# Altium PCB Main_Board2.PcbDoc (part 2 of 2)
Units mm, origin at the board's own origin, x right, y up, seen from the top; angles counter-clockwise.
Board outline 136.91 x 66.34 mm, 2 copper layers (Top Layer, Bottom Layer); 76 components, 99 nets, 355 pads, 359 vias.
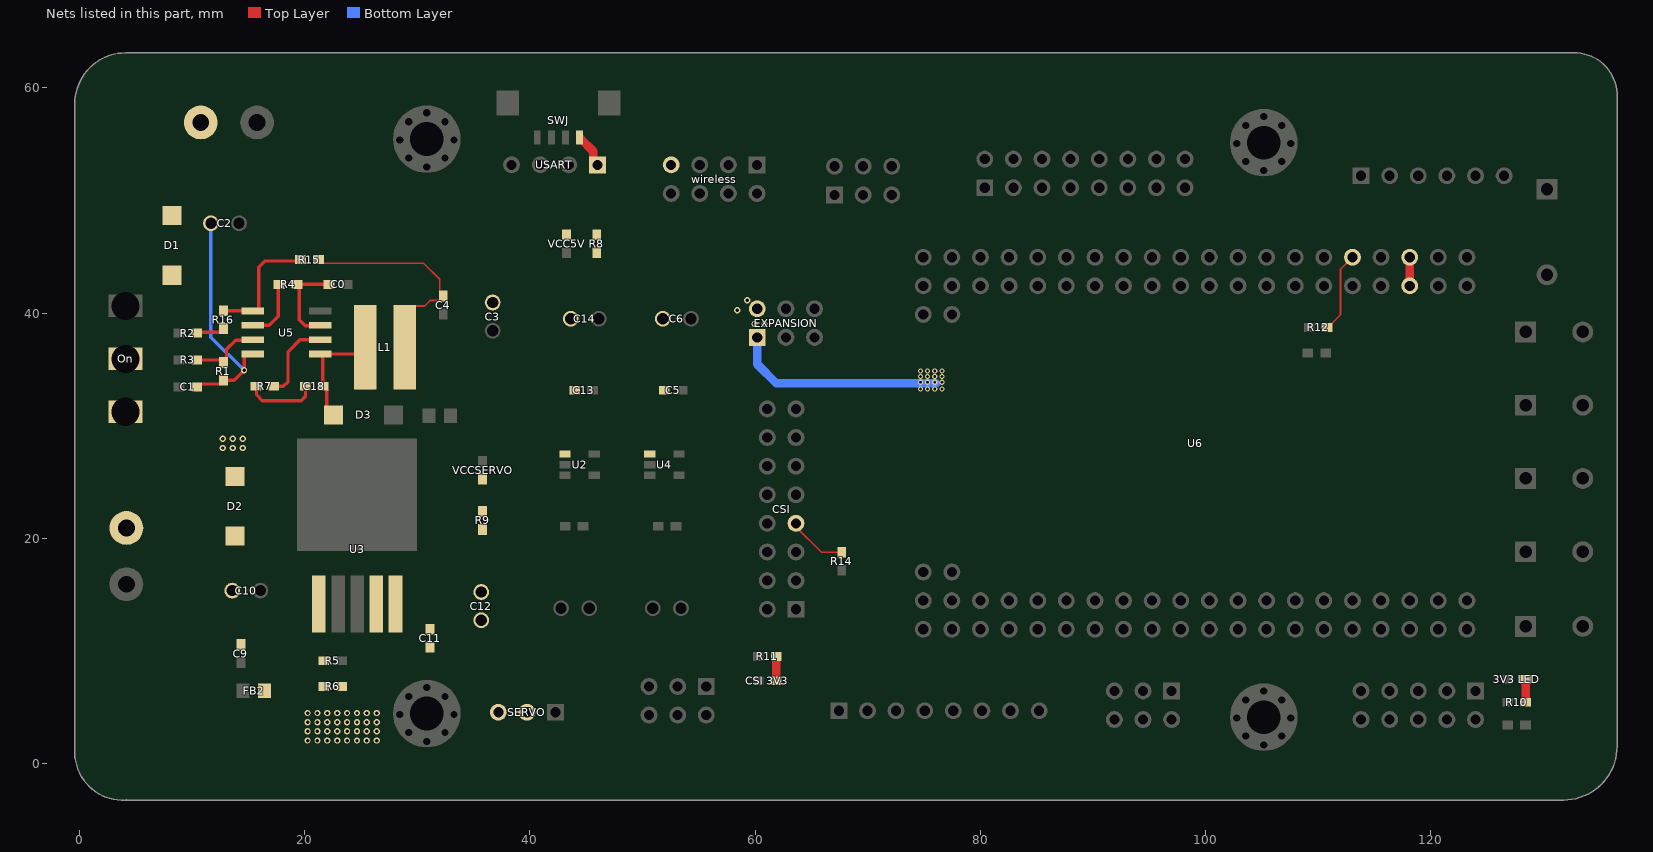
[diagram p2: the nets of this part, all layers, seen from the top]

## Via types
v1: diameter 0.559, hole 0.305, Top Layer to Bottom Layer, tented both sides, 343 vias
v2: diameter 0.457, hole 0.254, Top Layer to Bottom Layer, tented both sides, 16 vias

## Nets (pads, with @x,y where several pads share a name; then routed paths per layer and width w, separated by ;. In a path a pad name is that pad's centre, name@x,y a point inside that pad or via, vN(x,y) a via of type N, cw(c..) or ccw(c..) an arc to the next point about the centre after c; other vN are vias at no path point) (continued)
GNDServo: C11.1 C12.2 FB2.2 SERVO.3
  other v1: 20.278,2.057 21.155,2.057 22.031,2.057 22.908,2.057 23.785,2.057 24.662,2.057 25.539,2.057 26.416,2.057 20.278,2.87 21.155,2.87 22.031,2.87 22.908,2.87 23.785,2.87 24.662,2.87 25.539,2.87 26.416,2.87 20.278,3.683 21.155,3.683 22.031,3.683 22.908,3.683 23.785,3.683 24.662,3.683 25.539,3.683 26.416,3.683 20.278,4.496 21.155,4.496 22.031,4.496 22.908,4.496 23.785,4.496 24.662,4.496 25.539,4.496 26.416,4.496
NetC0_1: C0.1 R4.2 U5.3 | length 8.2
  Top Layer w0.152: R4.2@19.336,42.545 R4.2@19.522,42.358 ; U5.3@21.339,38.862 U5.3@21.39,38.913
  Top Layer w0.3: R4.2@19.336,42.545 C0.1@22.188,42.545 ; R4.2@19.522,42.358 19.522,39.426 20.087,38.862 U5.3@21.339,38.862
NetC1_2: C1.2 C2.1 D1.A R1.2 U5.8 | length 21.1
  Top Layer w0.152: C1.2@10.446,33.452 C1.2@10.706,33.712 ; R1.2@12.484,33.712 R1.2@12.802,34.03 R1.2@12.808,34.036 ; U5.8@14.64,36.149 14.863,36.373 U5.8@15.39,36.373
  Top Layer w0.3: C1.2@10.706,33.712 R1.2@12.484,33.712 ; R1.2@12.808,34.036 13.751,34.036 v1(14.64,34.925) U5.8@14.64,36.149
  Bottom Layer w0.3: C2.1@11.696,47.981 11.696,37.869 v1(14.64,34.925)
NetC9_2: C9.2 C10.1 D2.A U3.4
NetC18_1: C18.1 R7.2 | length 6.5
  Top Layer w0.152: R7.2@15.691,33.503 15.85,33.344 R7.2@15.748,33.242 ; C18.1@20.06,33.503 C18.1@20.091,33.471
  Top Layer w0.3: R7.2@15.748,33.242 15.748,32.741 16.256,32.233 19.714,32.233 20.091,32.61 C18.1@20.091,33.471
NetC18_2: C18.2 D3.K L1.16@25.383,36.957 U5.1 | length 10.1
  Top Layer w0.152: U5.1@21.39,36.373 U5.1@21.613,36.149 ; C18.2@21.613,33.536 C18.2@21.647,33.503 C18.2@21.971,33.179 ; D3.K@21.971,31.583 D3.K@22.592,30.963 ; L1.16@24.459,36.373 25.043,36.957 L1.16@25.383,36.957
  Top Layer w0.3: U5.1@21.39,36.373 L1.16@24.459,36.373 ; C18.2@21.613,33.536 U5.1@21.613,36.149 ; D3.K@21.971,31.583 C18.2@21.971,33.179
NetLED1_1: R8.1 VCC5V.1
NetLED2_1: R9.1 VCCSERVO.1
NetLED3_1: "3V3 LED.1" R10.1 | length 2
  Top Layer w0.762: R10.1@128.397,5.454 128.397,7.48
NetLED4_1: "CSI 3V3.1" R11.1 | length 2.2
  Top Layer w0.762: 61.881,7.366 R11.1@61.881,9.525
NetP9_1: ?.1@4.191,20.93 On.3
NetP11_7: CSI.7 R14.2 | length 5.3
  Top Layer w0.152: CSI.7@63.627,21.336 63.627,21.04 65.903,18.764 R14.2@67.691,18.764
NetR1_1: R1.1 R3.2 U5.7 | length 6.4
  Top Layer w0.152: R1.1@12.579,35.839 R1.1@12.802,35.617 R1.1@13.081,35.897 ; U5.7@15.339,37.592 U5.7@15.39,37.643
  Top Layer w0.3: R3.2@10.446,35.839 R1.1@12.579,35.839 ; R1.1@13.081,35.897 13.081,36.778 13.895,37.592 U5.7@15.339,37.592
NetR2_2: R2.2 R16.1 | length 2.5
  Top Layer w0.152: R2.2@10.446,38.227 R2.2@10.528,38.31 ; R16.1@12.484,38.31 R16.1@12.802,38.627
  Top Layer w0.3: R2.2@10.528,38.31 R16.1@12.484,38.31
NetR4_1: R4.1 U5.6 | length 5.6
  Top Layer w0.152: U5.6@15.39,38.913 15.525,38.778 U5.6@15.685,38.938 ; R4.1@17.666,42.545 R4.1@17.748,42.545
  Top Layer w0.3: U5.6@15.685,38.938 16.891,38.938 17.666,39.713 R4.1@17.666,42.545
NetR5_2: R5.2 R6.1 U3.1
NetR7_1: R7.1 U5.2 | length 7.4
  Top Layer w0.152: U5.2@21.368,37.621 U5.2@21.39,37.643
  Top Layer w0.3: R7.1@17.278,33.503 18.136,33.503 18.542,33.909 18.542,36.557 19.605,37.621 U5.2@21.368,37.621
NetR12_1: R12.1 U6.9 | length 7.2
  Top Layer w0.152: R12.1@110.776,38.735 110.858,38.735 111.974,39.851 111.974,43.902 U6.9@113.03,44.958
NetR15_1: R15.1 R16.2 U5.5 | length 11.2
  Top Layer w0.152: U5.5@15.946,40.39 U5.5@16.121,40.215 ; R15.1@19.526,44.628 R15.1@19.653,44.755
  Top Layer w0.3: R16.2@12.802,40.215 U5.5@16.121,40.215 ; U5.5@15.946,40.39 15.946,44.064 16.51,44.628 R15.1@19.526,44.628
VCC5V: C3.1 C4.2@32.32,41.512 C5.2 C6.1 C13.2 C14.1 EXPANSION.1@60.198,37.846 EXPANSION.2@60.198,40.386 L1.17 R8.2 R15.2 SWJ.4 U2.1 U4.1 U6.5 U6.6 USART.1 wireless.7 | length 44.4
  Top Layer w0.152: R15.2@21.241,44.755 21.558,44.437 30.571,44.437 32.002,43.006 32.002,41.112 31.145,41.112 30.664,40.631 29.807,40.631 28.883,39.707 L1.17@28.883,36.957
  Top Layer w0.381: C14.1@43.588,39.45 C14.1@43.635,39.497
  Top Layer w0.762: SWJ.4@44.501,55.506 45.633,54.374 45.633,53.531 USART.1@46.002,53.162 ; U6.6@118.11,42.418 U6.5@118.11,44.958
  Bottom Layer w0.762: EXPANSION.1@60.198,37.846 60.198,35.458 61.9,33.757 v2@76.098,33.757
  other v1: 59.944,39.04 60.833,39.04 58.42,40.259 59.309,41.148
  other v2: 74.676,33.249 75.311,33.249 75.946,33.249 76.581,33.249 74.676,33.858 75.311,33.858 75.946,33.858 76.581,33.858 74.676,34.366 75.311,34.366 75.946,34.366 76.581,34.366 74.676,34.874 75.311,34.874 75.946,34.874 76.581,34.874
VCCBAT: ?.1@10.795,56.921 D1.K D2.K On.2
  other v1: 12.751,28.028 13.64,28.028 14.529,28.028 12.751,28.841 13.64,28.841 14.529,28.841
VCCServo: C11.2 C12.1 R6.2 R9.2 SERVO.2 U3.5
pads on no net: ?.0 ?.1@28.461,4.381 ?.1@28.461,55.381 ?.1@29.261,2.781 ?.1@29.261,5.981 ?.1@29.261,53.781 ?.1@29.261,56.981 ?.1@30.861,1.981 ?.1@30.861,6.781 ?.1@30.861,52.981 ?.1@30.861,57.781 ?.1@32.461,2.781 ?.1@32.461,5.981 ?.1@32.461,53.781 ?.1@32.461,56.981 ?.1@33.261,4.381 ?.1@33.261,55.381 ?.1@102.756,4.064 ?.1@102.756,55.064 ?.1@103.556,2.464 ?.1@103.556,5.664 ?.1@103.556,53.464 ?.1@103.556,56.664 ?.1@105.156,1.664 ?.1@105.156,6.464 ?.1@105.156,52.664 ?.1@105.156,57.464 ?.1@106.756,2.464 ?.1@106.756,5.664 ?.1@106.756,53.464 ?.1@106.756,56.664 ?.1@107.556,4.064 ?.1@107.556,55.064 ENCODER.5 ENCODER.6 ICM20602.7 ICM20602.8 L1.16@25.383,36.957 On.1 SWJ.0 U2.4 U4.4 U6.3 U6.4 U6.7 U6.8 U6.21 U6.22 wireless.2 wireless.8

## Polygon pours and split planes (outlines as drawn)
GND on Top Layer "Top Layer-GND 10" (hatched Horizontal grid 0.102 track 0.127, remove dead copper, pour order 265): 36.322,68.326 36.322,44.887 34.132,42.697 34.132,37.97 32.153,35.992 32.153,35.032 32.311,34.874 32.311,30.586 36.576,26.321 38.256,26.321 38.668,25.908 38.668,15.622 45.644,8.646 45.644,-1.499 131,-1.499 146.685,14.186 146.685,57.277 132.207,71.755
GNDBAT on Top Layer "Top Layer-GNDBAT 4" (hatched Horizontal grid 0.102 track 0.127, remove dead copper, pour order 261): 24.968,60.376 26.085,59.259 26.085,46.147 31.263,40.97 31.263,29.459 30.988,29.185 30.988,13.208 26.035,8.255 16.485,8.255 15.977,7.747 14.351,7.747 13.843,7.239 13.843,2.87 2.311,2.87 1.397,3.785 2.159,4.547 2.159,56.921 5.588,60.35 5.588,60.376
GND on Top Layer "Top Layer-GND 8" (hatched Horizontal grid 0.102 track 0.127, remove dead copper, pour order 175): 39.703,44.155 39.703,49.77 42.384,52.451 42.384,53.687 42.799,54.102 44.145,54.102 44.577,53.67 44.577,51.168 42.049,48.64 42.049,45.904 42.106,45.847 43.508,45.847 43.508,44.986 43.508,44.155
3V3 on Top Layer "Top Layer-3V3 2" (hatched Horizontal grid 0.102 track 0.127, remove dead copper, pour order 173): 66.167,41.986 72.822,48.641 74.295,48.641 75.565,49.911 75.565,54.991 76.327,55.753 82.169,55.753 84.074,53.848 84.074,53.34 83.566,52.832 82.423,52.832 81.788,53.467 81.788,53.949 81.026,54.711 77.952,54.711 77.089,53.848 77.089,49.047 75.311,47.269 74.244,47.269 68.961,41.986
CSI_3V3 on Top Layer "Top Layer-CSI_3V3 2" (hatched Horizontal grid 0.102 track 0.127, remove dead copper, pour order 132): 54.379,14.757 56.363,14.757 59.309,11.811 62.001,11.811 62.865,12.675 62.865,14.453 63.779,14.453 64.389,13.843 64.389,11.836 63.125,10.573 60.833,10.573 60.833,9.449 60.401,9.017 58.242,9.017 54.229,13.03
GND on Top Layer "Top Layer-GND 2" (hatched Horizontal grid 0.102 track 0.127, remove dead copper, pour order 126): 50.165,26.797 48.982,26.797 48.982,13.121 49.657,12.446 49.657,12.263 51.252,10.668 53.086,10.668 54.876,8.878 54.876,6.604 56.261,6.604 56.642,6.985 56.642,9.576 54.153,12.065 51.836,12.065 51.302,12.6 51.302,23.033 49.824,24.511 49.824,26.2 50.286,26.2 50.286,26.676
GND on Top Layer "Top Layer-GND 6" (hatched Horizontal grid 0.102 track 0.127, remove dead copper, pour order 114): 43.53,26.797 43.378,26.949 38.938,26.949 38.735,26.746 39.116,26.32 39.116,15.621 42.418,12.319 43.307,12.319 43.434,12.446 43.434,23.19 42.233,24.391 42.233,26.162 42.309,26.238 42.926,26.238 42.926,26.32 43.53,26.924
3V3 on Top Layer "Top Layer-3V3 8" (hatched Horizontal grid 0.102 track 0.127, remove dead copper, pour order 227): 82.042,55.702 87.173,60.833 111.227,60.833 117.348,54.712 117.348,51.562 116.878,51.092 116.103,51.092 115.316,51.879 115.316,54.61 111.021,58.905 87.48,58.905 84.074,55.499 84.074,53.67
GNDServo on Top Layer "Top Layer-GNDServo" (hatched Horizontal grid 0.102 track 0.127, remove dead copper, pour order 219): 15.977,-4.699 15.977,7.01 15.748,7.239 19.881,7.239 19.881,5.817 20.389,5.309 25.649,5.309 31.925,11.584 33.93,13.589 36.425,13.589 38.43,11.584 38.43,-7.798 35.687,-10.541 29.591,-4.445 15.664,-4.445
VCCBAT on Top Layer "Top Layer-VCCBAT" (hatched Horizontal grid 0.102 track 0.127, remove dead copper, pour order 259): 15.392,29.388 15.494,29.286 15.494,24.562 15.138,24.206 12.446,24.206 11.938,24.714 11.938,29.388
NetC1_2 on Top Layer "Top Layer-NetC1_2" (hatched Horizontal grid 0.102 track 0.127, remove dead copper, pour order 253): 8.333,49.403 11.811,49.403 12.484,48.73 12.484,47.473 11.938,46.926 9.591,46.926 8.536,47.981
VCCBAT on Top Layer "Top Layer-VCCBAT 1" (hatched Horizontal grid 0.102 track 0.127, remove dead copper, pour order 251): 1.422,34.214 6.185,34.214 6.809,34.838 6.809,39.548 9.906,42.645 9.906,45.043 8.34,46.609 6.223,46.609 5.588,47.244 5.588,49.291 7.427,51.13 11.379,51.13 12.573,52.324 12.573,58.801 10.897,60.477 4.724,60.477 1.422,57.175
GNDBAT on Top Layer "Top Layer-GNDBAT 3" (hatched Horizontal grid 0.102 track 0.127, remove dead copper, pour order 249): 25.853,28.043 25.853,31.542 26.416,32.106 31.167,32.106 31.369,31.904 31.369,28.55 26.715,23.896 26.715,22.86
GND on Top Layer "Top Layer-GND 9" (hatched Horizontal grid 0.102 track 0.127, remove dead copper, pour order 247): 31.807,40.437 31.877,40.367 31.877,34.874 34.468,34.874 35.179,34.163 36.576,35.56 36.576,37.617 36.373,37.821 34.29,37.821 32.717,39.394 32.717,40.386
VCC5V on Top Layer "Top Layer-VCC5V 4" (hatched Horizontal grid 0.102 track 0.127, remove dead copper, pour order 245): 37.137,39.649 34.843,39.649 33.621,40.872 30.905,40.872 30.353,40.32 30.353,36.652 29.388,35.687 28.321,36.754 28.321,40.437 30.254,42.37 31.558,42.37 31.716,42.527 31.716,42.799 30.077,44.437 21.166,44.437 21.166,44.68 21.622,45.136 30.394,45.136 33.341,42.189 38.633,42.189 38.735,42.088
no net on Top Layer "Top Layer-No Net 4" (hatched Horizontal grid 0.102 track 0.127, remove dead copper, pour order 243): 37.338,39.548
no net on Top Layer "Top Layer-No Net 16" (hatched Horizontal grid 0.102 track 0.127, remove dead copper, pour order 241): 37.184,39.751
3V3 on Top Layer "Top Layer-3V3 4" (hatched Horizontal grid 0.102 track 0.127, remove dead copper, pour order 148): 97.663,4.572 101.727,8.636 107.645,8.636 110.617,5.664 110.617,2.159 122.187,2.159 122.936,2.908 122.936,4.572 124.841,4.572 125.222,4.191 124.968,3.937 124.968,0.635 98.615,0.635 98.298,0.953
3V3 on Top Layer "Top Layer-3V3 7" (hatched Horizontal grid 0.102 track 0.127, remove dead copper, pour order 116): 44.214,12.827 44.577,12.464 44.577,1.397 44.958,1.016 57.277,1.016 57.531,1.27 57.531,5.08 57.277,5.334 54.785,5.334 54.582,5.131 54.582,3.198 53.848,2.464 47.689,2.464 46.99,3.163 46.99,12.548 45.593,13.945
GND on Top Layer "Top Layer-GND 3" (hatched Horizontal grid 0.102 track 0.127, remove dead copper, pour order 124): 53.772,39.704 53.189,39.121 53.189,32.944 63.606,32.944 63.923,33.261 63.923,43.506 61.277,46.152 61.277,47.688 60.833,48.133 59.157,48.133 59.334,47.955 59.334,45.54 62.103,42.771 62.103,36.093 61.9,35.89 57.15,35.89 57.15,39.116 56.718,39.548 54.367,39.548 54.316,39.497
VCCServo on Top Layer "Top Layer-VCCServo 2" (hatched Horizontal grid 0.102 track 0.127, remove dead copper, pour order 56): 22.86,7.239 23.816,7.239 25.645,9.068 26.416,9.068 27.559,10.211 27.559,13.218 28.527,14.186 30.988,14.186 33.185,16.383 36.703,16.383 37.465,15.621 37.465,14.691 36.719,13.945 33.274,13.945 31.915,11.506 29.426,11.506 28.702,10.782 28.702,9.22 27.33,7.849 26.085,7.849 24.731,6.325 23.988,6.325 22.857,6.325 22.857,7.137
VCC5V on Top Layer "Top Layer-VCC5V" (hatched Horizontal grid 0.102 track 0.127, remove dead copper, pour order 183): 74.401,35.179 115.697,35.179 117.094,36.576 117.094,45.593 117.475,45.974 118.872,45.974 119.253,45.593 119.253,34.417 117.919,33.084 74.401,33.084
GND on Top Layer "Top Layer-GND" (hatched Horizontal grid 0.102 track 0.127, remove dead copper, pour order 179): 68.58,54.305 70.739,54.305 70.739,47.981 68.58,47.981 68.58,48.044 68.58,48.158
GND on Top Layer "Top Layer-GND 4" (hatched Horizontal grid 0.102 track 0.127, remove dead copper, pour order 177): 54.316,54.28 56.058,54.28 56.261,54.077 56.261,49.149 57.252,48.158 59.411,48.158 59.411,45.72 59.284,45.593 55.88,45.593 54.229,47.244 54.229,54.28 54.47,54.28 54.864,53.886
VCC5V on Top Layer "Top Layer-VCC5V 6" (hatched Horizontal grid 0.102 track 0.127, remove dead copper, pour order 169): 61.341,39.084 61.341,40.735 57.753,44.323 50.546,44.323 50.546,42.189 52.07,40.665 57.32,40.665 59.499,38.486
no net on Top Layer "Top Layer-No Net 13" (hatched Horizontal grid 0.102 track 0.127, remove dead copper, pour order 167): 52.657,40.361
no net on Top Layer "Top Layer-No Net 14" (hatched Horizontal grid 0.102 track 0.127, remove dead copper, pour order 165): 52.578,40.157
NetLED1_1 on Top Layer "Top Layer-NetLED1_1" (hatched Horizontal grid 0.102 track 0.127, remove dead copper, pour order 163): 46.421,47.473 46.421,47.31 46.421,46.482 42.834,46.482 42.834,47.473
VCC5V on Top Layer "Top Layer-VCC5V 8" (hatched Horizontal grid 0.102 track 0.127, remove dead copper, pour order 161): 45.462,41.334 45.466,45.904 47.002,45.904 47.808,46.71 47.808,51.638 47.376,52.07 45.33,52.07 45.33,54.08 45.745,54.495 52.82,54.495 53.721,53.594 53.721,52.587 53.585,52.451 51.297,52.451 50.868,52.022 50.868,43.29
no net on Top Layer "Top Layer-No Net 15" (hatched Horizontal grid 0.102 track 0.127, remove dead copper, pour order 159): 44.921,42.164
no net on Top Layer "Top Layer-No Net 5" (hatched Horizontal grid 0.102 track 0.127, remove dead copper, pour order 153): 59.436,54.737
3V3 on Top Layer "Top Layer-3V3 3" (hatched Horizontal grid 0.102 track 0.127, remove dead copper, pour order 150): 63.035,4.24 69.596,14.757 69.596,32.004 64.77,36.83 64.77,41.385 65.371,41.986 69.063,41.986 72.771,38.278 72.771,11.582 70.104,7.747 68.199,5.207
3V3 on Top Layer "Top Layer-3V3 5" (hatched Horizontal grid 0.102 track 0.127, remove dead copper, pour order 146): 97.866,4.572 98.298,4.14 98.298,0.953 67.246,0.953 68.072,1.778 68.072,3.048 68.58,2.54 68.694,2.654 95.758,2.654 95.758,4.064 96.266,4.572
3V3 on Top Layer "Top Layer-3V3 6" (hatched Horizontal grid 0.102 track 0.127, remove dead copper, pour order 144): 54.785,5.334 68.199,5.461 68.199,0.889 68.072,1.016 67.818,1.016 56.769,1.016
no net on Top Layer "Top Layer-No Net 6" (hatched Horizontal grid 0.102 track 0.127, remove dead copper, pour order 142): 57.302,5.454
no net on Top Layer "Top Layer-No Net 7" (hatched Horizontal grid 0.102 track 0.127, remove dead copper, pour order 140): 57.277,5.334
no net on Top Layer "Top Layer-No Net 8" (hatched Horizontal grid 0.102 track 0.127, remove dead copper, pour order 138): 57.302,5.454
no net on Top Layer "Top Layer-No Net 9" (hatched Horizontal grid 0.102 track 0.127, remove dead copper, pour order 136): 57.404,5.207
no net on Top Layer "Top Layer-No Net 10" (hatched Horizontal grid 0.102 track 0.127, remove dead copper, pour order 134): 57.404,1.143
GND on Top Layer "Top Layer-GND 1" (hatched Horizontal grid 0.102 track 0.127, remove dead copper, pour order 128): 56.642,8.052 56.718,8.128 60.833,8.128 60.833,6.604 60.325,6.096 56.134,6.096 56.134,6.985 55.88,7.239
VCC5V on Top Layer "Top Layer-VCC5V 7" (hatched Horizontal grid 0.102 track 0.127, remove dead copper, pour order 122): 59.538,39.37 59.461,39.294 59.461,37.211 60.92,37.211 61.341,37.632 61.341,39.853
GND on Top Layer "Top Layer-GND 5" (hatched Horizontal grid 0.102 track 0.127, remove dead copper, pour order 118): 45.574,39.243 45.574,34.681 45.131,34.238 45.131,29.435 45.356,29.21 48.768,29.21 48.982,29.424 48.982,39.141 48.372,39.751 46.431,39.751
GND on Top Layer "Top Layer-GND 7" (hatched Horizontal grid 0.102 track 0.127, remove dead copper, pour order 112): 34.092,36.093 36.093,38.095 36.093,38.725 36.484,39.116 40.03,39.116 40.03,31.921 40.03,31.794 40.03,31.667 40.03,26.238 34.217,26.238 33.381,27.075 33.381,33.804 32.153,35.032 32.153,36.093
GNDBAT on Top Layer "Top Layer-GNDBAT" (hatched Horizontal grid 0.102 track 0.127, remove dead copper, pour order 110): 14.351,8.985 14.434,9.068 16.51,9.068 16.51,8.89 14.859,7.239
GNDBAT on Top Layer "Top Layer-GNDBAT 1" (hatched Horizontal grid 0.102 track 0.127, remove dead copper, pour order 109): 1.473,17.596 10.522,17.596 11.881,16.237 11.881,9.779 12.186,9.474 15.258,9.474 15.664,9.881 15.612,9.933 15.612,16.019 15.875,16.281 18.047,16.281 18.732,15.596 18.732,9.57 17.824,8.661 13.589,8.661 13.691,8.56 15.113,8.56 15.113,1.111 12.859,-1.143 2.286,-1.143 -3.175,4.318 -2.667,4.826 -2.667,17.602 1.422,17.602
no net on Top Layer "Top Layer-No Net 11" (hatched Horizontal grid 0.102 track 0.127, remove dead copper, pour order 103): 15.113,9.474
GNDBAT on Top Layer "Top Layer-GNDBAT 2" (hatched Horizontal grid 0.102 track 0.127, remove dead copper, pour order 95): 22.378,10.693 22.86,10.211 22.86,8.763 24.329,8.763 25.239,9.672 25.239,16.688 22.505,16.688 22.378,16.56
no net on Top Layer "Top Layer-No Net 12" (hatched Horizontal grid 0.102 track 0.127, remove dead copper, pour order 93): 22.378,11.684
NetC9_2 on Top Layer "Top Layer-NetC9_2 1" (hatched Horizontal grid 0.102 track 0.127, remove dead copper, pour order 91): 27.051,16.434 27.051,18.085 26.619,18.517 14.097,18.517 14.097,17.348 14.351,17.094 14.491,17.234 25.692,17.234 25.692,16.253 25.867,16.078 25.969,16.18 26.797,16.18
GNDBAT on Top Layer "Top Layer-GNDBAT 6" (hatched Horizontal grid 0.102 track 0.127, remove dead copper, pour order 82): 13.589,9.525 15.113,9.525 15.113,5.588 15.24,5.461 13.589,5.461
CSI_3V3 on Top Layer "Top Layer-CSI_3V3" (hatched Horizontal grid 0.102 track 0.127, remove dead copper, pour order 78): 52.469,20.65 52.469,12.976 54.307,12.976 54.379,12.976 54.379,20.65
3V3 on Top Layer "Top Layer-3V3" (hatched Horizontal grid 0.102 track 0.127, remove dead copper, pour order 72): 44.165,21.158 44.165,12.876 44.392,12.649 46.253,12.649 46.558,12.954 46.558,21.158
NetLED2_1 on Top Layer "Top Layer-NetLED2_1" (hatched Horizontal grid 0.102 track 0.127, remove dead copper, pour order 68): 35.408,22.225 35.61,22.427 36.195,22.427 36.195,24.993 36.119,24.917 35.408,24.917
VCCServo on Top Layer "Top Layer-VCCServo" (hatched Horizontal grid 0.102 track 0.127, remove dead copper, pour order 66): 35.382,20.32 33.185,18.123 33.185,16.383 36.703,16.383 37.567,15.519 37.567,18.948 36.195,20.32
no net on Top Layer "Top Layer-No Net" (hatched Horizontal grid 0.102 track 0.127, remove dead copper, pour order 64): 35.433,21.26
VCCServo on Top Layer "Top Layer-VCCServo 1" (hatched Horizontal grid 0.102 track 0.127, remove dead copper, pour order 62): 36.31,14.252 38.862,11.7 38.862,3.302 40.64,3.302 40.767,3.429 40.767,12.268 37.357,15.678
no net on Top Layer "Top Layer-No Net 1" (hatched Horizontal grid 0.102 track 0.127, remove dead copper, pour order 60): 36.821,14.046
no net on Top Layer "Top Layer-No Net 2" (hatched Horizontal grid 0.102 track 0.127, remove dead copper, pour order 58): 36.719,13.843
NetR5_2 on Top Layer "Top Layer-NetR5_2" (hatched Horizontal grid 0.102 track 0.127, remove dead copper, pour order 52): 20.701,8.382 20.701,6.248 20.853,6.096 22.257,6.096 22.257,8.528 22.225,8.56
NetR5_2 on Top Layer "Top Layer-NetR5_2 1" (hatched Horizontal grid 0.102 track 0.127, remove dead copper, pour order 50): 20.828,11.709 20.701,11.582 20.701,8.382 22.257,8.382 22.225,8.414 22.225,10.16 21.844,10.541 21.844,11.811
NetC9_2 on Top Layer "Top Layer-NetC9_2" (hatched Horizontal grid 0.102 track 0.127, remove dead copper, pour order 48): 12.805,20.041 12.805,19.383 12.805,10.795 13.694,9.906 14.828,9.906 14.828,19.843 14.63,20.041
CSI_3V3 on Top Layer "Top Layer-CSI_3V3 1" (hatched Horizontal grid 0.102 track 0.127, remove dead copper, pour order 46): 53.585,27.813 56.139,27.813 56.335,27.618 56.335,22.606 54.303,20.574 52.469,20.574 52.469,21.403 52.657,21.59 53.721,21.59 55.396,23.265 55.396,26.67 54.913,27.153 53.467,27.153 53.467,27.695
3V3 on Top Layer "Top Layer-3V3 1" (hatched Horizontal grid 0.102 track 0.127, remove dead copper, pour order 44): 45.33,27.813 47.884,27.813 48.08,27.618 48.08,22.606 46.048,20.574 44.214,20.574 44.214,21.403 44.402,21.59 45.466,21.59 47.141,23.265 47.141,26.67 46.658,27.153 45.212,27.153 45.212,27.695
VCC5V on Top Layer "Top Layer-VCC5V 1" (hatched Horizontal grid 0.102 track 0.127, remove dead copper, pour order 38): 43.081,42.164 47.173,42.164 48.641,43.632 48.641,44.831 49.149,45.339 50.499,45.339 50.868,44.97 50.868,41.867 52.578,40.157 52.578,32.48 51.206,31.109 51.206,27.051 50.165,27.051 50.165,31.502 51.403,32.741 51.403,38.354 49.193,40.564 44.681,40.564
VCC5V on Top Layer "Top Layer-VCC5V 2" (hatched Horizontal grid 0.102 track 0.127, remove dead copper, pour order 36): 42.411,38.354 42.545,38.22 42.545,27.178 43.508,27.178 44.03,27.7 44.03,31.682 44.399,32.052 44.399,38.43
VCC5V on Top Layer "Top Layer-VCC5V 3" (hatched Horizontal grid 0.102 track 0.127, remove dead copper, pour order 32): 37.143,39.649 41.116,39.649 42.411,38.354 44.323,38.354 44.885,38.915 44.942,40.885 43.044,42.164 38.161,42.164
no net on Top Layer "Top Layer-No Net 3" (hatched Horizontal grid 0.102 track 0.127, remove dead copper, pour order 30): 38.557,40.462
NetP9_1 on Top Layer "Top Layer-NetP9_1" (hatched Horizontal grid 0.102 track 0.127, remove dead copper, pour order 0): 1.873,32.544 6.064,32.544 9.017,27.686 9.017,19.558 8.255,18.796 1.651,18.796 1.143,19.304 1.143,32.544
no net on Mechanical 1 (hatched Horizontal grid 0.102 track 0.127, remove dead copper): 17.777,34.462
GND on Bottom Layer "Bottom Layer-GND" (hatched Horizontal grid 0.102 track 0.127, remove dead copper, pour order 267): 36.322,68.326 36.322,44.887 34.132,42.697 34.132,37.97 32.153,35.992 32.153,35.032 32.311,34.874 32.311,30.586 36.576,26.321 38.256,26.321 38.668,25.908 38.668,15.622 45.644,8.646 45.644,-1.499 131,-1.499 146.685,14.186 146.685,57.277 132.207,71.755
GNDBAT on Bottom Layer "Bottom Layer-GNDBAT" (hatched Horizontal grid 0.102 track 0.127, remove dead copper, pour order 263): 24.968,60.376 26.085,59.259 26.085,46.147 31.263,40.97 31.263,29.459 30.988,29.185 30.988,13.208 26.035,8.255 16.485,8.255 15.977,7.747 14.351,7.747 13.843,7.239 13.843,2.87 2.311,2.87 1.397,3.785 2.159,4.547 2.159,56.921 5.588,60.35 5.588,60.376
VCCBAT on Bottom Layer "Bottom Layer-VCCBAT" (hatched Horizontal grid 0.102 track 0.127, remove dead copper, pour order 257): 1.905,37.465 2.286,37.465 8.509,37.465 15.977,29.997 15.977,24.155 15.189,23.368 12.853,23.368 10.82,25.4 10.82,30.099 10.681,30.099 6.515,34.265 1.905,34.265
GNDServo on Bottom Layer "Bottom Layer-GNDServo" (hatched Horizontal grid 0.102 track 0.127, remove dead copper, pour order 225): 15.977,-4.699 15.977,7.01 15.748,7.239 19.881,7.239 19.881,5.817 20.389,5.309 25.649,5.309 31.925,11.584 33.93,13.589 36.425,13.589 38.43,11.584 38.43,-7.798 35.687,-10.541 29.591,-4.445 15.664,-4.445
VCC5V on Bottom Layer "Bottom Layer-VCC5V 1" (hatched Horizontal grid 0.102 track 0.127, remove dead copper, pour order 185): 59.458,42.618 61.208,40.869 61.208,39.254 60.384,38.43 59.552,38.43 57.416,40.576
VCC5V on Bottom Layer "Bottom Layer-VCC5V" (hatched Horizontal grid 0.102 track 0.127, remove dead copper, pour order 181): 61.341,40.791 59.436,41.176 59.436,34.366 60.719,33.084 77.521,33.084 77.521,35.077 77.419,35.179 62.357,35.179 61.341,36.195

## Keep-outs
Keep-Out Layer:
  lines w1.016: 136.016,59.386 ccw(c132.741,59.318) 132.672,62.594 ; 136.016,59.436 136.017,1.563 ; 136.017,4.563 136.017,53.518 ; 4.127,62.594 ccw(c4.127,58.594) 0.128,58.594 cw(c4.127,58.594) 4.127,62.594 ; 4.127,62.594 132.672,62.594 ; 4.127,62.594 132.672,62.594 ; 136.017,1.563 cw(c131.744,1.553) 131.754,-2.721 ccw(c131.744,1.553) 136.017,1.563 ; 0.127,0.635 0.128,58.801 0.127,0.635 ; 0.127,1.058 ccw(c3.88,1.019) 4.062,-2.729 cw(c3.88,1.019) 0.127,1.058 ; 4.327,-2.721 131.744,-2.721 4.327,-2.721

## Other copper
Top Layer:
  rectangle net VCC5V: 74.93,33.35 75.946,33.452
  pour cut-out: 117.259,51.13 117.666,50.724 119.38,50.724 119.38,50.643 119.156,50.419 116.84,50.419 116.84,50.673 116.586,50.927
  pour cut-out: 119.253,35.992 119.659,35.585 128.651,35.585 128.651,35.484 128.041,34.874 119.253,34.874
  pour cut-out: 70.952,8.56 75.444,8.56 75.714,8.29 74.93,7.506 74.93,7.442 70.688,7.442 70.485,7.645
  pour cut-out: 76.835,32.766 76.962,32.893 77.385,32.893 77.385,30.395 77.216,30.226 76.594,30.848 76.594,30.888
  pour cut-out: 5.842,34.366 6.414,34.366 6.617,34.163 6.315,33.861 6.315,32.131 5.639,32.131 5.334,32.436 5.588,32.69 5.588,34.468
  pour cut-out: 42.847,9.576
  pour cut-out: 75.922,30.72 75.91,30.709 73.025,30.709 73.025,30.226 73.251,30.452 75.949,30.452 75.949,30.636 75.912,30.673
  pour cut-out: 127.476,8.153 127.476,8.731 128.016,9.271 128.118,9.169 128.27,9.169 128.27,8.687 127.635,8.052 127.533,8.153
  pour cut-out: 127.876,9.677
  pour cut-out: 127.878,9.271 127.476,8.869 127.476,8.052
  pour cut-out: 127.305,37.821 126.492,37.008 126.492,30.099 131.242,30.099 131.191,30.15 131.191,38.1 127.533,38.1 127.254,37.821
  pour cut-out: 123.203,10.95 123.203,10.897 122.225,9.919 122.225,9.398 122.555,9.398 122.682,9.271 123.342,9.931 123.342,10.998 123.241,10.998 123.139,10.897
  pour cut-out: 81.613,24.308 82.423,24.308 82.296,24.181 82.296,23.597 81.305,23.597 81.153,23.749 81.449,24.045 81.449,24.409
  pour cut-out: 71.628,4.565 71.49,3.11 71.628,2.972 71.831,3.175 73.513,3.175 72.294,4.394 71.989,4.089
  pour cut-out: 65.659,1.753
  pour cut-out: 74.955,3.785 75.311,3.429 74.676,2.794 74.676,2.769 73.762,2.769 73.66,2.87 73.787,2.997 73.787,3.785
  pour cut-out: 73.286,5.613 85.986,5.613 86.233,5.366 86.233,3.378 72.517,3.378 73.392,4.254 73.392,5.512
  pour cut-out: 75.714,28.981 75.815,29.083 77.47,29.083 77.47,28.423 77.216,28.169 77.172,28.213 75.406,28.213 75.406,28.833 75.656,29.083 75.758,28.981
  pour cut-out: 75.337,28.778 77.216,28.778 77.216,28.232 76.949,27.965 76.238,28.677 75.057,28.677 75.057,28.562 75.755,27.864 77.165,27.864 77.343,27.686
  pour cut-out: 73.025,29.083 73.33,28.778 74.596,28.778 74.596,28.127 74.536,28.067 74.028,28.575 73.025,28.575
  pour cut-out: 83.82,41.148 83.998,40.97 93.853,40.97 93.853,41.123 93.396,41.58 83.947,41.58 83.947,41.275
  pour cut-out: 83.324,45.212 83.401,45.136 84.511,45.136 84.511,44.66 84.367,44.515 84.153,44.729 83.074,44.729 83.48,45.136
  pour cut-out: 81.29,52.248 81.446,52.248 82.056,52.857 82.259,52.654 82.195,52.654 81.395,51.854 81.322,51.854 81.322,52.203 81.254,52.271
  pour cut-out: 19.685,7.137 20.389,7.137 20.389,6.426 19.685,6.426
  text "浙大一队" at 4.837,-0.051 h1.02
  text "浙江大学" at 9.296,-0.051 h1.02
  text "2020年7月" at 3.708,-0.94 h1.02
  text "GMY JMK LKM" at 8.661,-0.94 h1.02
Bottom Layer:
  pour cut-out: 107.556,37.211 107.556,24.459 107.809,24.206 108.012,24.409 109.753,24.409 109.753,36.9 109.188,37.465
  pour cut-out: 120.015,23.622 119.659,23.266 119.659,16.51 120.777,16.51 120.904,16.383 121.434,16.913 121.434,24.338
  pour cut-out: 119.888,8.687 119.888,6.612 120.269,6.993 120.269,8.742 120.142,8.869
  pour cut-out: 112.772,8.56 112.772,6.941 112.88,6.833 113.282,7.235 113.357,7.235 113.357,8.563 113.284,8.636 113.185,8.537 112.747,8.537
  pour cut-out: 5.842,30.201
  pour cut-out: 101.092,37.414 103.429,39.751 104.051,39.751 104.927,40.627 105.41,40.144 105.41,38.161 102.718,35.469 101.092,37.095 101.092,37.414 101.117,37.414 101.219,37.516
  pour cut-out: 81.446,52.248 82.22,52.248 82.321,52.146 82.22,52.045 82.22,51.994 81.482,51.994 81.446,51.958
  pour cut-out: 81.904,56.134 81.904,51.359 82.062,51.517 82.94,51.517 82.94,55.871 82.804,56.007 81.991,56.007
  pour cut-out: 103.556,38.608 103.556,39.256 104.927,40.627 105.549,40.005 105.423,40.005 103.759,38.341 103.505,38.595 103.505,38.633
  pour cut-out: 61.849,14.859 62.594,14.859 62.645,14.911 62.729,14.827 62.729,14.554 61.938,14.554 61.849,14.643
  pour cut-out: 62.001,18.987 62.039,19.025 62.738,19.025 62.738,18.656 62.776,18.618 62.674,18.517 62.046,18.517 61.97,18.593 62.052,18.675 62.052,19.025
  pour cut-out: 61.951,20.988 61.849,20.887 61.849,12.446 62.586,12.446 62.219,12.812 62.219,20.955 61.989,20.955
  pour cut-out: 60.147,12.192 60.071,12.116 60.071,11.1 60.706,11.1 60.623,11.183 60.623,12.192
  pour cut-out: 93.98,54.077 94.005,54.051 98.654,54.051 98.654,53.645 98.425,53.416 98.374,53.467 93.871,53.467 93.871,53.734 94.214,54.077
  pour cut-out: 74.803,52.146 74.905,52.045 92.837,52.045 92.837,50.927 92.456,50.546 91.364,51.638 75.057,51.638 75.057,51.765 74.676,52.146
  pour cut-out: 73.268,52.654 73.308,52.614 73.308,50.724 73.66,50.724 73.66,52.553 73.37,52.553 73.276,52.646
  pour cut-out: 96.411,51.562 96.513,51.664 99.796,51.664 99.796,51.371 99.555,51.13 99.518,51.168 96.411,51.168
  pour cut-out: 91.331,51.448 91.446,51.333 92.363,51.333 92.363,50.959 92.331,50.927 91.186,50.927 91.186,51.256 91.365,51.435
  pour cut-out: 73.268,52.654 73.284,52.638 73.284,50.825 73.431,50.825 73.297,50.959 73.297,52.683
  pour cut-out: 73.268,50.114 73.279,50.103 73.279,48.285 73.533,48.285 73.533,50.114
  pour cut-out: 62.738,46.457 63.856,46.457 63.881,46.482 63.881,48.133 62.738,48.133
  pour cut-out: 72.885,37.643 72.771,37.529 72.771,35.382 73.279,35.382 73.279,37.719 72.873,37.719 72.771,37.617
  pour cut-out: 72.771,29.997 72.771,28.27 72.975,28.27 73.152,28.093 73.279,28.22 73.279,29.997 72.669,29.997 72.644,29.972
  pour cut-out: 69.088,19.431 69.088,16.281 69.596,16.281 69.596,19.533 69.19,19.533
  pour cut-out: 61.791,12.319 61.791,11.793 62.382,11.201 61.722,11.201 61.722,12.25
  pour cut-out: 59.893,14.605 59.944,14.554 60.046,14.656 60.35,14.656 60.35,18.265 59.893,18.722

## Silkscreen, mask and mechanical layers (free items; w line width, h text height)
Top Overlay:
  drawing of 1341 lines, arcs and shapes, not listed
  text "浙大一队" at 114.379,57.277 h1.02
  text "浙江大学" at 118.838,57.277 h1.02
  text "2020年7月" at 113.25,56.388 h1.02
  text "GMY JMK LKM" at 118.203,56.388 h1.02
  text "GND 3V3  B0 B1  B2  C19 B3 C18" at 79.121,55.448 h0.69
  text "5V  GND D17 D16" at 51.435,54.889 h0.69
  text "B12 B13 GND 5V" at 37.592,49.911 h0.69
  text "B16 B17 B18 B19 D12 D13 D14 D15" at 79.121,48.336 h0.69
  text "NC  GND D26  NC" at 51.689,47.625 h0.64
  text "OFF" at 6.54,30.861 h0.76
  text "GNDSER VCCSER C30" at 35.56,6.35 h0.51
  text "3V3 GND C23 C22 C21 C20 NC NC" at 66.548,2.362 h0.66

## Text inside footprints (layer, text, board x,y; h text height)
CSI: Top Overlay "B31 B30 B29 B28 B27 B26 B25 B24" at 58.166,32.766 h0.66 r270; Top Overlay "B20 GND C29 C28 NC B22 GND 3V3" at 65.913,32.664 h0.66 r270
ENCODER: Top Overlay "NC  C24 3V3" at 90.792,1.638 h0.69; Top Overlay "NC  C2  GND" at 90.945,8.242 h0.69
ENCODER: Top Overlay "NC  C1  3V3" at 49.318,2.02 h0.69; Top Overlay "NC  C0  GND" at 49.265,9.144 h0.69
EXPANSION: Top Overlay "C15 C16 C17 GND 3V3" at 112.522,1.372 h0.69; Top Overlay "C7 C6 C5 GND 3V3" at 112.903,8.636 h0.81
EXPANSION: Top Overlay "5V  GND 3V3" at 59.436,35.052 h0.69; Top Overlay "5V  GND 3V3" at 59.309,42.545 h0.69
MOTOR: Top Overlay "D2 GND D0" at 66.548,54.711 h0.69; Top Overlay "D3 GND D1" at 66.142,47.272 h0.69